# Altium PCB DAC_Sources_REV2.PcbDoc (part 3 of 9)
Units mil, origin at the board's own origin, x right, y up, seen from the top; angles counter-clockwise.
Board outline 10905.51 x 5393.7 mil, 8 copper layers (Top Layer, GND_02, SIG_03, PWR_04, PWR_05, SIG_06, GND_07, Bottom Layer), stack 65.69 mil thick; 663 components, 464 nets, 2338 pads, 2140 vias.
Unrouted connection lines stored in the file: 515.
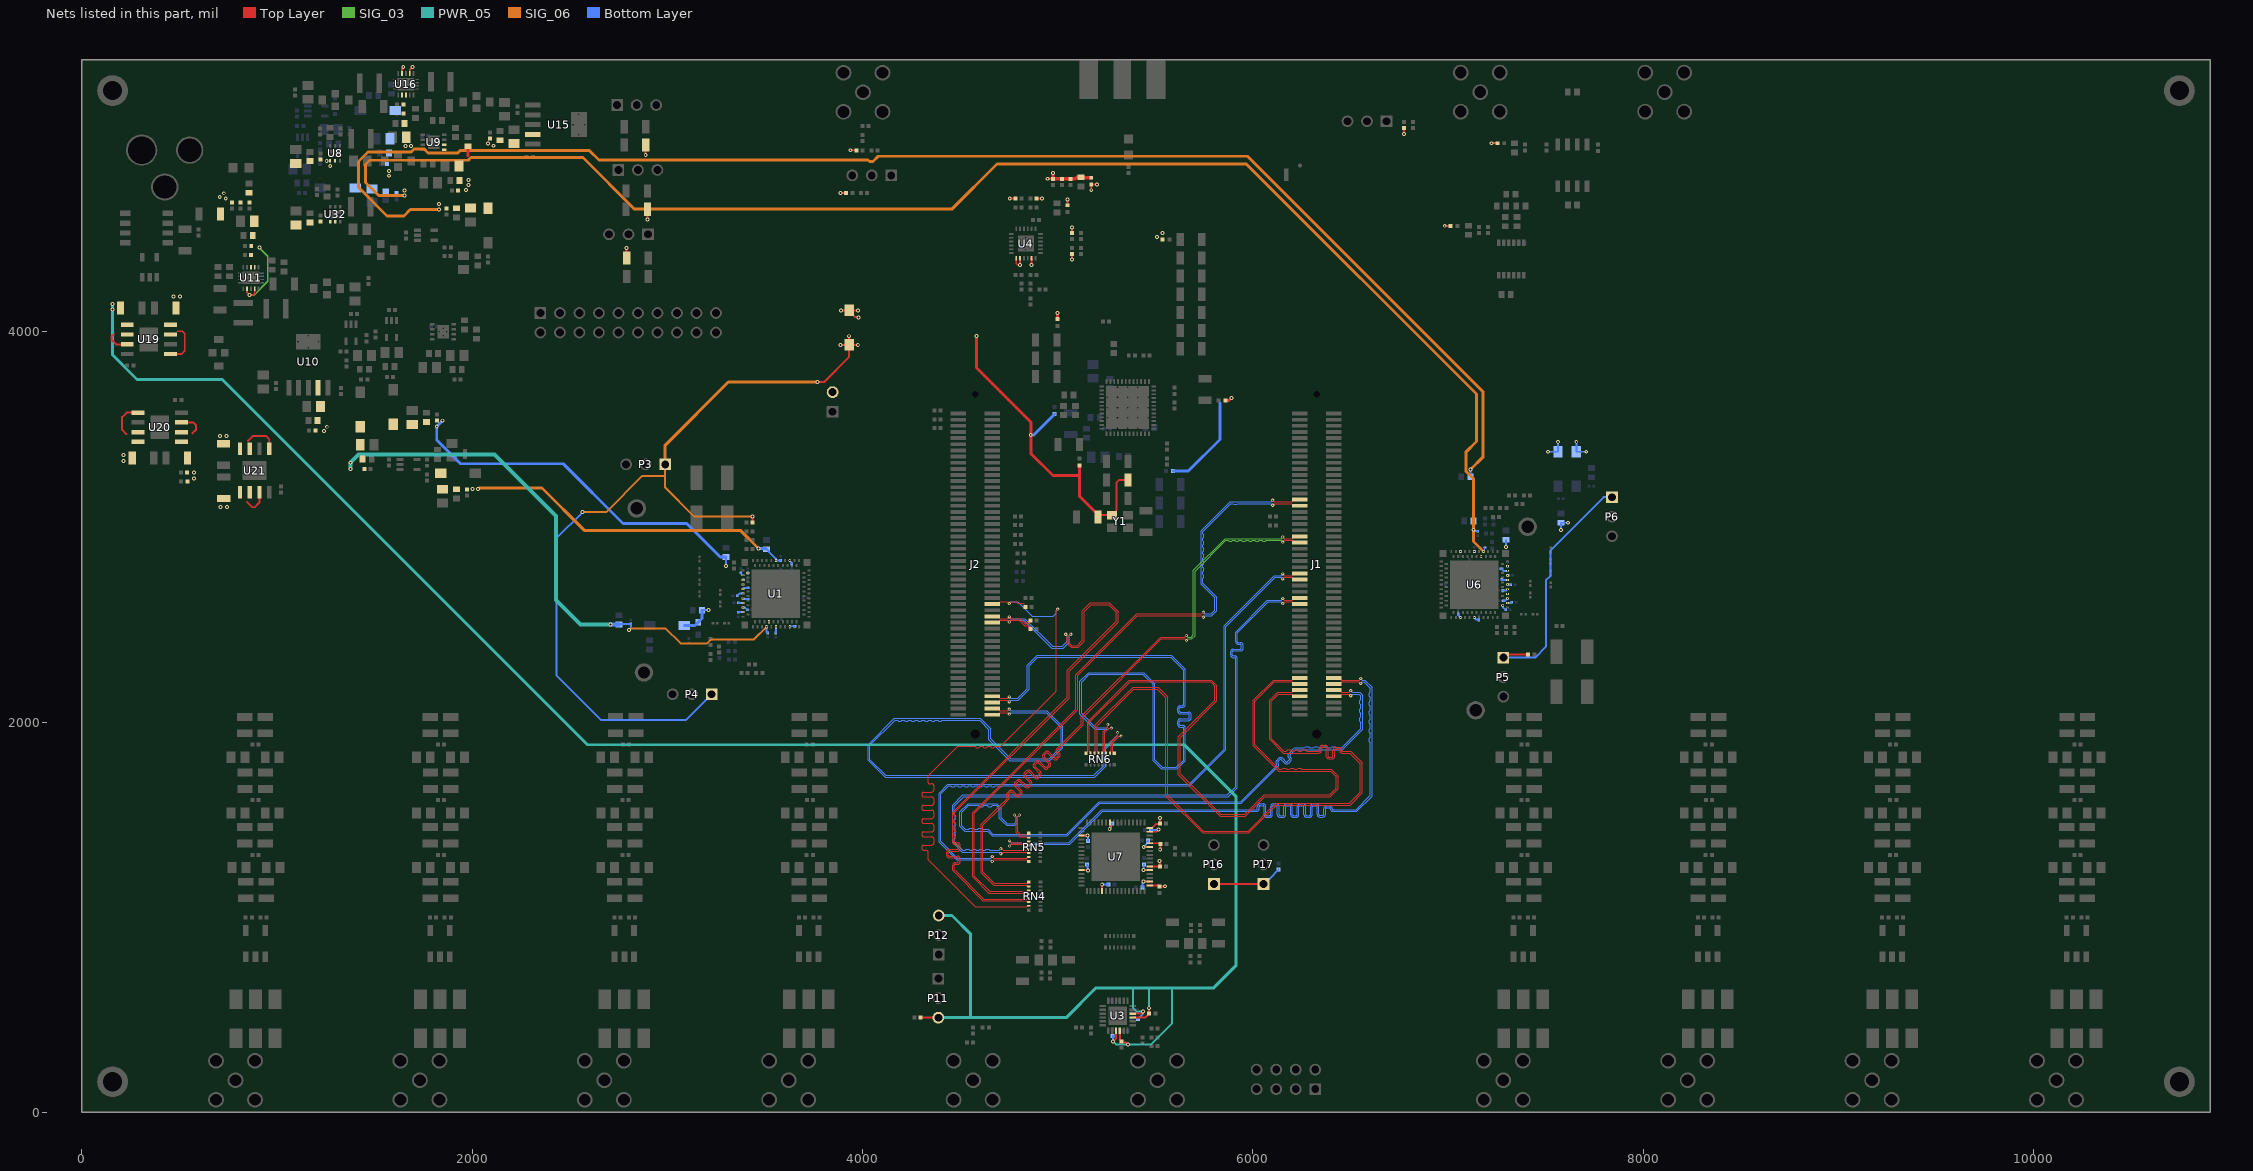
[diagram p9: the nets of this part, all layers, seen from the top]

## Part data (continued)
U12 U13 U17 U18 U34 U35: library part TI-TPS7XX01-5, "Single Output LDO, 150 mA, Adjustable 0.9 to 6.2 V Output, 2.5 to 6.5 V Input, with High-Bandwidth PSRR, 5-pin SC70 (DCK), -40 to 125 degC, Green (RoHS & no Sb/Br)", Manufacturer="Texas Instruments", Accuracy(%)=3, Code_JEDEC=MO-203, ComponentLink1Description="Manufacturer URL", ComponentLink1URL=http://www.ti.com/, ComponentLink2Description=Datasheet, ComponentLink2URL=http://www.ti.com/general/docs/lit/getliterature.tsp?genericPartNumber=TPS71701&fileType=pdf, ComponentLink3Description="Package Specification", ComponentLink3URL=http://www.ti.com/litv/pdf/mpds025f, DatasheetVersion=SBVS068G, Eco-Plan="Green (RoHS & no Sb/Br)", Iout(Max)(A)=0.15, Iq(Typ)(mA)=0.05, Mounting Technology="Surface Mount", PackageDescription="5-Pin Plastic Small-Outline, Body 2 x 1.25 mm, Pitch 0.65 mm", PackageReference=DCK0005A, PackageVersion=4093553-3/G, PartNumber=TPS71701DCKR, SubFamily="Single Channel LDO", Vdo(Typ)(mV)=170, Vin(Max)(V)=6.5, Vin(Min)(V)=2.5, Vout Adj(Max)(V)=6.2, Vout Adj(Min)(V)=0.9
U14: "5.5-V over voltage protection controller with 100-V input transient protection 5-SOT-23 -40 to 85", Package="SOT-23-5 Texas Instruments", Availability=Good, BuyPart=https://www.snapeda.com/parts/TPS2400DBVT/Texas%20Instruments/view-part/425327/?ref=eda, DigiKey-Purchase-URL=https://snapeda.com/shop?store=DigiKey&id=425327, MF="Texas Instruments", Mouser-Purchase-URL=https://snapeda.com/shop?store=Mouser&id=425327, MP=TPS2400DBVT, Price=None, SnapEDA_Link=https://www.snapeda.com/parts/TPS2400DBVT/Texas%20Instruments/view-part/425327/?ref=snap, Texas_Instruments-Purchase-URL=https://snapeda.com/shop?store=Texas+Instruments&id=425327
U19: library part ADI-ADP1706-RD-8-2, "1 A, Low Dropout, CMOS Linear Regulator, 2.5 to 5.5 V Vin, 3.3 V Vout, Industrial, 8-pin SOIC (RD-8-2), Reel", Manufacturer="Analog Devices", Code_JEDEC=MS-012-AA, ComponentLink1Description="Manufacturer URL", ComponentLink1URL=http://www.analog.com/en/index.html, ComponentLink2Description=Datasheet, ComponentLink2URL=http://www.analog.com/static/imported-files/data_sheets/ADP1706_1707_1708.pdf, ComponentLink3Description="Package Specification", ComponentLink3URL=http://www.analog.com/static/imported-files/packages/62062404671038RD_8_2.pdf, ComponentLink4Description="URL Link1", ComponentLink4URL="Product URL:http://www.analog.com/en/ADP1706/productSearch.html", DatasheetVersion="Rev. 0", Mounting Technology="Surface Mount", PackageDescription="8-Pin Standard Small Outline Package, Body 4.9 x 3.9 mm, Pitch 1.27 mm", PackageReference=RD-8-2, PackageVersion=Jan-05, Packing=Reel, PartNumber=ADP1706ARDZ-3.3-R7
U20 U21: library part ADI-ADP1706-RD-8-2, "1 A, Low Dropout, CMOS Linear Regulator, 2.5 to 5.5 V Vin, 1.8 V Vout, Industrial, 8-pin SOIC (RD-8-2), Reel", Manufacturer="Analog Devices", Code_JEDEC=MS-012-AA, ComponentLink1Description="Manufacturer URL", ComponentLink1URL=http://www.analog.com/en/index.html, ComponentLink2Description=Datasheet, ComponentLink2URL=http://www.analog.com/static/imported-files/data_sheets/ADP1706_1707_1708.pdf, ComponentLink3Description="Package Specification", ComponentLink3URL=http://www.analog.com/static/imported-files/packages/62062404671038RD_8_2.pdf, ComponentLink4Description="URL Link1", ComponentLink4URL="Product URL:http://www.analog.com/en/ADP1706/productSearch.html", DatasheetVersion="Rev. 0", Mounting Technology="Surface Mount", PackageDescription="8-Pin Standard Small Outline Package, Body 4.9 x 3.9 mm, Pitch 1.27 mm", PackageReference=RD-8-2, PackageVersion=Jan-05, Packing=Reel, PartNumber=ADP1706ARDZ-1.8-R7
U30: library part 30cb43c013c66b9f7606d7aff426576, "IC REDRIVER LVDS 1CH 8SOIC", Case/Package=SOIC, Max Input Current=10uA, Max Input Voltage=100mV, Max Operating Temperature=85°C, Max Output Voltage=450mV, Max Power Dissipation=726mW, Max Supply Current=70mA, Max Supply Voltage=3.6V, Min Input Voltage=-100mV, Min Operating Temperature=-40°C, Min Supply Voltage=3V, Operating Supply Voltage=3.3V, Package Quantity=2500, Power Consumption=155W, Contact Plating=Tin, Data Rate=800Mbps, Height=1.45mm, Lead Free="Lead Free", Length=4.9mm, Logic Function=Buffer, Mount="Surface Mount", Number of Channels=1, Number of Drivers=1, Number of Elements=1, Number of Pins=8, Number of Receivers=1, Operating Supply Current=70mA, Packaging="Tape and Reel", Power Dissipation=726mW, Propagation Delay=2ns, Radiation Hardening=No, RoHS Compliant=Yes, Series=DS90LV001, Turn-On Delay Time=2ns, Weight=0.005044oz, Width=3.9mm
Y1: library part 61a724e6190563596ac712fef61ad37, "XTAL Oscillator 10MHz ±50ppm CMOS 3.3V 4-SMD 3.2mm x 2.5mm", Case/Package=SMD/SMT, Frequency=10MHz, Frequency Stability=50ppm, Load Capacitance=15pF, Max Operating Temperature=85°C, Max Supply Current=7mA, Max Supply Voltage=3.465V, Min Operating Temperature=-40°C, Min Supply Voltage=3.135V, Operating Frequency="10 MHz", Operating Supply Voltage=3.3V, Package Quantity=1000, Depth=2.5mm, Height=0.047inch, Lead Free="Lead Free", Length=3.2mm, Mount="Surface Mount", Number of Pins=4, Packaging="Tape and Reel", Radiation Hardening=No, REACH SVHC="No SVHC", Series=ASE, Termination=SMD/SMT, Width=0.098inch

## Free pads (board coordinates)
  round 157.48 hole 98.43 mask+2.01: MH(157.48,157.48) MH(157.48,5236.22) MH(10748.03,157.48) MH(10748.03,5236.22)

## Via types
v1: diameter 16, hole 8, Top Layer to Bottom Layer, tented both sides, 1452 vias
v2: diameter 20, hole 10, Top Layer to Bottom Layer, tented both sides, 509 vias
v3: diameter 10, hole 6, Top Layer to Bottom Layer, tented both sides, 65 vias
v4: diameter 23.62, hole 11.81, Top Layer to Bottom Layer, tented top, 59 vias
v5: diameter 24, hole 12, Top Layer to Bottom Layer, tented top, 34 vias
v6: diameter 24, hole 12, Top Layer to Bottom Layer, tented both sides, 15 vias
v7: diameter 23.62, hole 11.81, Top Layer to Bottom Layer, tented both sides, 4 vias
v8: diameter 78.74, hole 39.37, Top Layer to Bottom Layer, tented both sides, 2 vias

## Nets (pads, with @x,y where several pads share a name; then routed paths per layer and width w, separated by ;. In a path a pad name is that pad's centre, name@x,y a point inside that pad or via, vN(x,y) a via of type N, cw(c..) or ccw(c..) an arc to the next point about the centre after c; other vN are vias at no path point)
1.2VCLK_DAC1: C73.2 C74.1 C76.2 C236.1 C237.1 C238.1 FB13.2 U1.A4 | length 2943.7
  SIG_06 w10: v2(2803.15,2472.44) 2805.74,2472.44 2814.01,2480.71 2990.55,2480.71 3068.11,2403.15 3203.94,2403.15 3224.8,2424.02 3444.17,2424.02 v3(3509.06,2488.9)
  PWR_05 w20: v2(1376.77,3298.03) 1376.77,3329.92 1417.32,3370.47 2114.96,3370.47 2428.74,3056.69 2428.74,2626.38 2554.72,2500.39 v2(2709.06,2500.39)
  Bottom Layer w10: C238.1@2751.57,2500.39 2753.94,2502.76 C237.1@2813.39,2502.76 2813.39,2482.68 v2(2803.15,2472.44) ; v3(3509.06,2488.9) 3509.06,2462.2 C236.1@3513.78,2457.48
  Bottom Layer w20: v2(2709.06,2500.39) C238.1@2751.57,2500.39
  other v2: 1375.98,3329.13
1.2VCLK_DAC2: C108.2 C109.1 C111.2 C257.1 C258.1 C259.1 FB16.2 U6.A4 | length 7680.7
  SIG_06 w15: v2(1653.15,4698.03) 1521.26,4698.03 1453.54,4765.75 1453.54,4859.06 1473.62,4879.13 1979.92,4879.13 1993.7,4892.91 2567.32,4892.91 2831.89,4628.35 4457.48,4628.35 4689.37,4860.24 5966.93,4860.24 7145.67,3681.5 7145.67,3438.19 7093.25,3385.77 7093.25,3284.77 7130.31,3247.71 v2(7130.31,2985.83) 7130.31,2925.98 v3(7182.28,2874.02)
  Bottom Layer w6: v3(7182.28,2874.02) 7189.37,2881.1 C258.1@7189.37,2894.88
  Bottom Layer w10: C259.1@7130.31,3029.92 v2(7130.31,2985.83) 7137.4,2978.74 C257.1@7153.15,2978.74
  other v2: 1653.1,4724.67
1.2VDAC1: C66.2 C67.1 C69.2 C232.1 C233.1 C234.1 C235.1 FB10.2 U1.A35 U1.A39 U1.A43 | length 1964.1
  Bottom Layer w7.5: C234.1@3375.59,2765.75 3375.59,2764.09 v3(3387.01,2752.68)
  Bottom Layer w10: C235.1@3300.79,2846.46 v2(3300.79,2800.39) v2@3301.18,2800 ; C233.1@3358.27,2646.85 3369.61,2658.19 v3(3387.01,2658.19) ; C232.1@3362.6,2562.6 3363.7,2563.7 v3(3387.01,2563.7)
  Bottom Layer w15: v2(1847.64,3544.49) v2(1818.5,3515.35) 1818.5,3445.67 1940.16,3324.02 2467.32,3324.02 2772.83,3018.5 3099.61,3018.5 3271.65,2846.46 C235.1@3300.79,2846.46
1.2VDAC2: C101.2 C102.1 C104.2 C253.1 C254.1 C255.1 C256.1 FB15.2 U6.A35 U6.A39 U6.A43 | length 113.9
  Bottom Layer w10: v3(7304.33,2610.24) 7323.62,2610.24 C255.1@7326.77,2613.39 ; v3(7304.33,2704.72) C254.1@7321.26,2704.72 ; v2(7578.74,2985.04) C256.1@7578.74,3021.65 v2(7615.35,3021.65)
  other v2: 1573.62,4799.61 1573.62,4824.8
  other v3: 7304.33,2799.21
1.2VDIGI_DAC1: C227.1 C228.1 C229.1 C230.1 C231.1 C292.2 C293.1 C324.2 FB26.2 U1.A6 U1.A9 U1.A25 U1.A28 U1.B4 | length 1786.8
  SIG_06 w15: v2@2034.65,3200 2357.87,3200 2574.8,2983.07 3373.62,2983.07 v2(3466.54,2890.16)
  Bottom Layer w10: C231.1@3510.83,2886.22 3520.59,2876.46 3520.59,2873.5 3556.3,2837.8 v3(3556.3,2827.48) 3579.84,2827.48 C227.1@3580.71,2828.35 ; C229.1@3556.3,2457.48 v3(3556.3,2488.9) ; v3(3627.17,2488.9) 3629.61,2491.34 C230.1@3654.33,2491.34 ; v3(3627.17,2827.48) 3637.8,2816.85 C228.1@3637.8,2810.24
  Bottom Layer w15: v2(3466.54,2890.16) 3503.94,2890.16 C231.1@3507.87,2886.22
  other v2: 2000.79,3193.7 2029.53,3193.7
  other v3: 3520.87,2514.49
1.2VDIGI_DAC2: C248.1 C249.1 C250.1 C251.1 C252.1 C328.2 C329.1 C331.2 FB27.2 U6.A6 U6.A9 U6.A25 U6.A28 U6.B4 | length 7468.6
  SIG_06 w15: v2(1829.92,4626.38) 1683.07,4626.38 1650.39,4593.7 1564.17,4593.7 1416.93,4740.94 1416.93,4872.83 1466.14,4922.05 1687.73,4922.05 1701.8,4936.12 1754.43,4936.12 1773.62,4916.93 1926.38,4916.93 1937.8,4928.35 2601.57,4928.35 2649.61,4880.32 4028.02,4880.32 4035.56,4872.78 4054.2,4872.78 4081.03,4899.61 5972.83,4899.61 7178.74,3693.7 7178.74,3357.09 v2(7115.75,3294.09)
  Bottom Layer w10: C248.1@7051.57,2554.72 7051.57,2548.03 v3(7064.17,2535.43) ; C252.1@7115.75,3257.48 v2(7115.75,3294.09) ; v3(7135.04,2535.43) 7145.59,2524.88 7155.51,2524.88 7156.81,2523.58 C249.1@7156.81,2522.8 C249.1@7156.42,2522.4
  other v2: 1829.92,4654.72
  other v3: 7170.47,2848.43 7064.17,2874.02 7135.04,2874.02
1.8V_AVDD: C118.1 C119.1 C120.1 C122.1 C124.1 C125.1 C126.1 C127.1 C128.1 C129.1 C130.1 U7.49 U7.50 U7.53 U7.54 U7.59 U7.60 U7.63 U7.64 U20.5 U20.6 U20.7 | length 753.1
  Top Layer w10: U20.7@510.46,3536.02 571.06,3536.02 585.04,3522.05 585.04,3497.64 566.54,3479.13 ; v2@5440.31,1182.52 U7.50@5472.24,1182.52 ; v2@5440.31,1241.57 U7.53@5472.24,1241.57 ; v2(5441.17,1360.63) 5442.11,1359.69 U7.59@5472.24,1359.69 ; U7.49@5472.24,1162.83 5517.09,1162.83 C130.1@5522.83,1157.09 ; U7.54@5472.24,1261.26 C120.1@5524.41,1261.26 ; U7.60@5472.24,1379.37 5523.39,1379.37 C127.1@5525.98,1376.77 5525.98,1348.82 v2(5525.59,1348.43) ; U7.63@5472.24,1438.43 5506.14,1438.43 v2(5517.32,1449.61) ; U7.64@5472.24,1458.11 5484.3,1458.11 5490.16,1463.97 5504.81,1478.62 5521.53,1478.62 C126.1@5524.02,1481.1 5524.41,1481.5 5524.41,1509.45 v2(5524.8,1509.84) ; v2(5522.44,1288.58) 5523.43,1287.6 C120.1@5523.43,1262.4 ; C130.1@5523.82,1158.07 5549.02,1158.07 v2(5550,1159.06)
  Bottom Layer w10: C119.1@5433.86,1152.36 5433.86,1175.25 5439.37,1180.76 v2(5439.37,1183.46) ; v2(5439.37,1242.52) 5441.28,1244.43 5441.28,1268.84 C118.1@5443.7,1271.26 ; v2(5441.17,1360.63) 5441.17,1361.24 5458.54,1378.61 5458.54,1388.03 C124.1@5463.78,1393.27 ; C125.1@5479.13,1447.24 5480.31,1448.43 5516.14,1448.43 v2(5517.32,1449.61)
  other v2: 574.03,3247.69 574.02,3279.92
1.8V_DRVDD: C116.1 C117.1 C132.1 C133.1 C134.1 C135.1 P16.1 P17.1 U7.10 U7.19 U7.28 U7.37 U21.5 U21.6 U21.7 | length 753.9
  Top Layer w10: 846.85,3127.17 872.83,3101.18 885.43,3101.18 910.43,3126.18 U21.7@910.43,3178.12 ; U7.28@5122.24,1241.57 v2@5154.17,1241.57 ; U7.19@5122.24,1418.74 v2(5153.75,1418.74) ; U7.37@5228.35,1135.47 v2(5228.35,1168.98) ; v2@5267.72,1453.54 U7.10@5267.72,1485.47 ; P16.1@5800.79,1170.87 P17.1@6055.12,1170.87
  Bottom Layer w10: C134.1@5150.79,1269.69 5153.2,1267.27 5153.2,1242.54 v2(5155.12,1240.63) ; C116.1@5154.72,1391.73 5155.24,1392.24 5155.24,1418.23 v2@5155.75,1418.74 ; v2(5228.35,1168.98) 5258.98,1168.98 C135.1@5261.02,1166.93 ; v2(5266.77,1452.6) 5266.77,1455.3 5274.25,1462.78 5274.25,1474.45 C133.1@5279.49,1479.69 C133.1@5278.43,1478.62 ; P17.1@6055.12,1170.87 6080.12,1195.87 6083.27,1195.87 C117.1@6132.68,1245.28
  other v2: 711.08,3102.75 743.31,3102.76
3.3V_AVDD: C114.1 C136.1 C137.1 C138.1 C139.1 C140.1 P11.3 P12.3 U3.3 U3.4 U3.9 U3.10 U19.5 U19.6 U19.7 | length 11525
  Top Layer w10: 165.35,3989.76 151.97,3976.38 151.97,3959.84 175.79,3936.02 U19.7@232.45,3936.02 ; C140.1@4298.43,485.83 P11.3@4388.98,485.83 ; v2(5284.34,363.52) 5284.34,366.23 5299.21,381.1 U3.3@5299.21,419.69 ; U3.4@5318.9,419.69 5318.9,371.65 C136.1@5326.38,364.17 5331.61,358.94 5349.72,358.94 v2(5360.24,348.43) ; U3.9@5385.83,486.61 5449.21,486.61 C139.1@5468.9,506.3 v2(5468.9,534.25) ; U3.10@5385.83,506.3 5427.56,506.3 v2(5437.8,516.54)
  PWR_05 w10: v2(5284.34,363.52) 5299.43,348.43 v2(5360.24,348.43) 5478.74,348.43 5585.83,455.51 5585.83,638.58 ; 5385.43,638.58 5385.43,535.43 5404.33,516.54 v2(5437.8,516.54) ; v2(5468.9,534.25) 5468.9,633.86 5473.62,638.58
  PWR_05 w15: v2(156.68,4142.07) 156.68,3882.29 282.68,3756.3 719.68,3756.3 2591.73,1884.25 5649.21,1884.25 5912.99,1620.47 5912.99,751.57 5800,638.58 5585.83,638.58 5473.62,638.58 5385.43,638.58 5196.85,638.58 5044.09,485.83 4554.33,485.83 ; P11.3@4388.98,485.83 4554.33,485.83 ; P12.3@4390.55,1009.06 4458.66,1009.06 4554.33,913.39 4554.33,485.83
  Bottom Layer w10: C137.1@5281.1,392.91 5282.72,391.3 5282.72,365.14 v2(5284.34,363.52) ; C138.1@5410.63,478.35 5435.88,503.6 5435.88,514.62 v2(5437.8,516.54)
  other v2: 156.69,4113.78
3.3V_LOGIC: FB12.2 P3.1 P4.1 P5.1 P6.1 R70.2 R75.2 | length 5725.7
  Top Layer w10: R70.2@3437.4,3022.44 v2(3437.4,3054.72) ; v2(3768.71,3742.58) 3802.82,3742.58 3931.89,3871.65 FB12.2@3931.89,3933.46 ; v2(3887.8,3933.46) FB12.2@3931.89,3933.46 ; v2(3931.89,3977.56) FB12.2@3931.89,3933.46 ; v2(3975.98,3933.46) FB12.2@3931.89,3933.46 ; P5.1@7283.86,2330.71 7299.61,2346.46 R75.2@7411.02,2346.46
  SIG_06 w10: v2(2565.75,3075.98) 2685.9,3075.98 2871.53,3261.61 2988.98,3261.61 ; P3.1@2988.98,3320.87 2988.98,3261.61 ; v2(3437.4,3054.72) 3136.61,3054.72 2988.98,3202.36 2988.98,3261.61
  SIG_06 w15: P3.1@2988.98,3320.87 2988.98,3418.9 3312.66,3742.58 v2(3768.71,3742.58)
  Bottom Layer w10: v2(2565.75,3075.98) 2431.89,2942.13 2431.89,2240.55 2661.81,2010.63 3094.88,2010.63 P4.1@3227.17,2142.91 ; P5.1@7283.86,2330.71 7446.06,2330.71 7502.25,2386.9 7502.25,2561.36 7501.97,2561.64 7501.97,2726.38 7525.98,2750.39 7525.98,2880.71 7798.03,3152.76 P6.1@7840.55,3152.76
3.3VA_DAC1: C53.2 C54.1 C56.2 C220.1 C221.1 C222.1 C223.1 C224.1 C225.1 C226.1 FB11.1 FB17.1 U1.A36 U1.A37 U1.A38 U1.A40 U1.A41 U1.A42 U1.B31 U10.4 | length 281
  Bottom Layer w10: C226.1@3186.22,2573.62 v2(3211.81,2573.62) ; C224.1@3363.39,2611.02 3386.93,2611.02 v3(3387.01,2610.94) ; v3(3387.01,2587.32) 3396.93,2587.32 C225.1@3409.45,2574.8 ; v3(3387.01,2634.57) 3390.47,2631.1 C223.1@3414.17,2631.1 ; v3(3387.01,2681.81) 3392.6,2687.4 C221.1@3412.99,2687.4
  Bottom Layer w15: FB17.1@3087.01,2495.67 3141.93,2495.67 FB11.1@3158.66,2512.4 3177.56,2531.3 C226.1@3177.56,2573.23
  other v2: 1240.55,3490.94 1255.12,3513.39
  other v3: 3387.01,2705.43 3387.01,2729.06 3412.6,2764.49
3.3VA_DAC2: C88.2 C89.1 C91.2 C241.1 C242.1 C243.1 C244.1 C245.1 C246.1 C247.1 FB18.1 FB19.1 U6.A36 U6.A37 U6.A38 U6.A40 U6.A41 U6.A42 U6.B31 U15.4 | length 388.5
  Bottom Layer w10: C241.1@7272.05,2787.01 7283.46,2775.59 v3(7304.33,2775.59) ; C242.1@7275.59,2731.89 7279.13,2728.35 v3(7304.33,2728.35) ; v3(7281.1,2598.43) 7281.1,2588.98 7295.28,2574.8 C246.1@7296.06,2574.8 ; C244.1@7281.89,2675.59 7298.82,2675.59 v3(7304.33,2681.1) ; C245.1@7284.25,2622.05 7292.52,2622.05 v3(7304.33,2633.86) ; v2(7297.24,2897.64) C247.1@7297.24,2934.25 ; v2(7512.2,3385.43) FB18.1@7563.39,3385.43 v2(7563.39,3436.61) ; v2(7657.48,3436.61) FB19.1@7657.48,3385.43 v2(7708.66,3385.43)
  other v2: 2109.84,4953.54 2081.89,4964.17
  other v3: 7304.33,2657.48 7304.33,2751.97
3.3VCLK: C35.2 C36.1 C38.2 C311.1 FB1.1 FB2.1 FB3.1 FB4.1 FB5.1 FB6.1 FB12.1 FB21.1 FB22.1 FB23.1 FB25.1 P2.2 R23.2 R25.2 R28.2 R33.2 R84.2 R88.2 R94.2 R95.2 U9.1 U9.2 Y1.4 | length 2953.1
  Top Layer w9.06: FB25.1@5050,4648.82 v2(5050,4677.56) ; v2(5172.24,4725.59) FB21.1@5172.24,4754.33 v2(5200.98,4754.33)
  Top Layer w10: R95.2@2791.73,4377.56 v2(2791.73,4428.74) ; v2(2889.37,4905.51) R88.2@2889.37,4956.69 ; R94.2@2898.43,4627.95 2899.21,4627.17 v2(2899.21,4575.98) ; v2(3887.01,4712.2) R28.2@3916.14,4712.2 ; v2(3888.98,4109.45) 3933.07,4109.45 FB12.1@3931.89,4110.63 3941.73,4110.63 3941.73,4094.88 3961.87,4074.75 3977.61,4074.75 v2(3979.53,4072.83) ; v2(3939.37,4930.31) R25.2@3968.5,4930.32 ; FB12.1@3941.73,4109.45 v2(3977.17,4109.45) ; C311.1@5206.69,3051.18 5216.73,3061.22 Y1.4@5278.35,3061.22 5300.79,3083.66 5300.79,3225.98 5315.75,3240.94 R23.2@5360.24,3240.94 ; R84.2@6774.02,5043.31 6774.21,5043.11 6774.21,5013.58 v2(6774.41,5013.39) ; v2(6983.46,4543.31) 6983.66,4543.11 7013.19,4543.11 FB22.1@7013.39,4542.91 ; v2@7223.62,4966.54 FB23.1@7253.15,4966.54
  Top Layer w15: R33.2@1979.13,4950.39 1979.13,4901.57 1979.53,4901.18 ; v2(4584.25,3979.53) 4584.25,3816.14 4862.6,3537.8 4862.6,3376.77 4975.59,3263.78 5111.81,3263.78 ; FB3.1@4998.82,4066.14 v2(4998.82,4096.06) ; FB6.1@5111.81,3314.96 5111.81,3263.78 ; C311.1@5206.69,3051.18 5206.69,3062.2 5111.81,3157.09 5111.81,3263.78 ; FB1.1@5859.84,3648.43 5877.95,3648.43 v2(5890.16,3660.63)
  Bottom Layer w15: v2(4862.28,3470.47) 4862.62,3470.81 4877.9,3470.81 4981.91,3574.82 4981.91,3576.4 4983.46,3577.95 FB2.1@4985.04,3577.95 ; FB5.1@5591.34,3286.61 5669.69,3286.61 5831.5,3448.43 5831.5,3636.22
  other v2: 5509.06,4485.83 5537.8,4505.51 1968.5,4726.61 1981.1,4751.42 1981.5,4777.01 7223.43,4966.34
3.3VCLK_PECL: C270.1 C271.1 C272.1 C273.1 FB21.2 R86.2 R87.2 R116.2 R117.2 U4.1 U4.2 U4.5 | length 491.2
  Top Layer w9.06: v2(4754.72,4683.46) R86.2@4783.46,4683.46 ; U4.1@4788.19,4377.56 4788.19,4350 4794.88,4343.31 v2(4807.87,4343.31) ; R87.2@4891.34,4683.46 v2(4920.08,4683.46) ; v2(5074.02,4369.88) R117.2@5074.02,4398.62 ; R116.2@5074.02,4506.1 v2(5074.02,4534.84)
  Top Layer w9.45: v2(4807.87,4343.31) U4.2@4807.87,4377.56 ; v2(4866.93,4343.31) U4.5@4866.93,4377.56
  Top Layer w15: v2(4947.83,4784.25) C270.1@4976.57,4784.25 v2(4976.57,4812.99)
  Top Layer w18: C270.1@4976.57,4784.25 C271.1@5021.46,4784.25 C272.1@5066.34,4784.25 5088.78,4784.25 5097.05,4792.52 C273.1@5120.28,4792.52 5123.03,4789.76 FB21.2@5172.24,4789.76
6V: C40.2 C42.2 C43.1 C45.2 C47.1 C48.1 C57.2 C58.2 C59.1 C60.1 C92.2 C93.2 C94.1 C95.1 C113.1 C121.1 C131.1 C296.2 C297.2 C298.1 FB7.2 R34.2 U8.4 U8.5 U11.2 U11.3 U11.7 U11.9 U16.2 U16.3 U16.7 U16.9 U19.1 U19.3 U19.4 U20.1 U20.3 U20.4 U21.1 U21.3 U21.4 U32.4 U32.5 | length 1050.8
  Top Layer w9: U19.1@454.95,3886.02 509.65,3886.02 526.77,3903.15 526.77,3990.94 514.57,4003.15 489.76,4003.15 ; U11.7@846.85,4221.26 846.85,4200.39 v2(858.66,4188.58) 877.17,4188.58 886.22,4197.64 U11.9@886.22,4221.26 ; U16.9@1641.14,5323.62 1641.14,5349.19 1646.85,5354.9 v2(1646.85,5357.87) ; U16.7@1680.51,5323.62 1680.51,5342.72 v2(1695.28,5357.48)
  Top Layer w10: 228.35,3476.38 206.69,3498.03 206.69,3563.39 229.33,3586.02 U20.1@287.96,3586.02 ; 852.36,3442.91 874.8,3465.35 944.88,3465.35 960.43,3449.8 U21.1@960.43,3400.62
  SIG_03 w9: v2(858.66,4188.58) 882.68,4188.58 952.76,4258.66 952.76,4388.19 v2(909.84,4431.1)
  other v2: 213.39,3337.4 213.38,3369.63 708.32,3465.74 740.55,3465.75 470.53,4181.09 502.76,4181.1 737.54,4683.63 706.79,4690.03 727.35,4709.9 1272.83,4848.82 1254.72,4874.41 1659.45,4952.36 1685.83,4951.97
ADC_D0_N: J2.99 RN6.9 | length 3349
  Top Layer w5: J2.99@4664.37,2038.07 4693.9,2038.07 4701.24,2045.41 4701.24,2046.12 4704.44,2049.32 4743.35,2049.32 v1(4751.85,2040.82) ; RN6.9@5290.51,1840.55 5290.51,1842.03 5282.43,1850.11 5282.43,1897.6 5313.18,1928.35 v1(5325.2,1928.35)
  Bottom Layer w5: v1(4751.85,2040.82) 4760.35,2049.32 4940.66,2049.32 5017.69,1972.29 5017.69,1872.81 4957.13,1812.24 4758.84,1812.24 4656.95,1914.13 4656.95,1965.89 4603.65,2019.2 4163.95,2019.2 4029.11,1884.36 4029.11,1804.15 4115.6,1717.65 5190.02,1717.65 5247.68,1775.31 5247.68,1862.85 5313.18,1928.35 v1(5325.2,1928.35)
ADC_D0_P: J2.97 RN6.10 | length 3373.7
  Top Layer w5: J2.97@4664.37,2069.57 4693.9,2069.57 4701.24,2062.22 4701.24,2061.36 4704.28,2058.32 4743.35,2058.32 v1(4751.85,2066.82) ; RN6.10@5267.36,1840.55 5267.36,1845.47 5269.78,1847.89 5270.5,1847.89 5273.43,1850.82 5273.43,1901.33 5306.81,1934.71 v1(5306.81,1946.73)
  Bottom Layer w5: v1(4751.85,2066.82) 4760.35,2058.32 4944.39,2058.32 5026.69,1976.02 5026.69,1869.08 4960.85,1803.24 4755.11,1803.24 4647.95,1910.41 4647.95,1962.17 4599.92,2010.2 4407.44,2010.2 4403.11,2005.87 4389.72,2005.87 4385.39,2010.2 4373.19,2010.2 4368.86,2005.87 4355.47,2005.87 4351.14,2010.2 4338.94,2010.2 4334.61,2005.87 4321.22,2005.87 4316.89,2010.2 4304.69,2010.2 4300.35,2005.87 4286.97,2005.87 4282.64,2010.2 4270.43,2010.2 4266.1,2005.87 4252.72,2005.87 4248.39,2010.2 4236.18,2010.2 4231.85,2005.87 4218.46,2005.87 4214.13,2010.2 4201.93,2010.2 4197.6,2005.87 4184.21,2005.87 4179.88,2010.2 4167.68,2010.2 4038.11,1880.63 4038.11,1807.87 4119.33,1726.65 5186.3,1726.65 5238.68,1779.04 5238.68,1866.58 5306.81,1934.71 v1(5306.81,1946.73)
ADC_D1_N: J2.95 RN6.11 | length 3301.7
  Top Layer w5: J2.95@4664.37,2101.06 4693.9,2101.06 4701.24,2108.4 4701.24,2109.11 4704.44,2112.31 4743.35,2112.31 v1(4751.85,2103.81) ; RN6.11@5247.68,1840.55 5247.68,1845.47 5242.33,1850.81 5242.33,1948.06 5263.57,1969.29 v1(5275.59,1969.29)
  Bottom Layer w5: v1(4751.85,2103.81) 4760.35,2112.31 4799.41,2112.31 4854.47,2167.37 4854.47,2288.88 4898.86,2333.27 5578.86,2333.27 5645.39,2266.73 5645.39,2182.6 5645.39,2090.27 cw(c5640.39,2090.27) 5640.39,2085.27 5629.39,2085.27 ccw(c5629.39,2071.27) 5615.39,2071.27 5615.39,2056.27 ccw(c5629.39,2056.27) 5629.39,2042.27 5670.39,2042.27 cw(c5670.39,2037.27) 5675.39,2037.27 5675.39,2022.27 cw(c5670.39,2022.27) 5670.39,2017.27 5629.39,2017.27 ccw(c5629.39,2003.27) 5615.39,2003.27 5615.39,1988.27 ccw(c5629.39,1988.27) 5629.39,1974.27 5640.39,1974.27 cw(c5640.39,1969.27) 5645.39,1969.27 5645.39,1962.27 5645.39,1805.94 5609.03,1769.58 5535.53,1769.58 5498.43,1806.69 5498.43,2196.69 5440.88,2254.24 5159.22,2254.24 5114.43,2209.44 5114.43,2040.69 5185.16,1969.96 5191.94,1963.18 5233.19,1963.18 5257.45,1963.18 5263.57,1969.29 v1(5275.59,1969.29)
ADC_D1_P: J2.93 RN6.12 | length 3301.8
  Top Layer w5: J2.93@4664.37,2132.56 4693.9,2132.56 4701.24,2125.22 4701.24,2124.35 4704.28,2121.31 4743.35,2121.31 v1(4751.85,2129.81) ; RN6.12@5227.99,1840.55 5227.99,1845.47 5233.33,1850.81 5233.33,1951.78 5257.21,1975.66 v1(5257.21,1987.68)
  Bottom Layer w5: v1(4751.85,2129.81) 4760.35,2121.31 4795.68,2121.31 4845.47,2171.1 4845.47,2292.61 4895.13,2342.27 5582.59,2342.27 5654.39,2270.46 5654.39,2182.6 5654.39,2090.27 cw(c5640.39,2090.27) 5640.39,2076.27 5629.39,2076.27 ccw(c5629.39,2071.27) 5624.39,2071.27 5624.39,2056.27 ccw(c5629.39,2056.27) 5629.39,2051.27 5670.39,2051.27 cw(c5670.39,2037.27) 5684.39,2037.27 5684.39,2022.27 cw(c5670.39,2022.27) 5670.39,2008.27 5629.39,2008.27 ccw(c5629.39,2003.27) 5624.39,2003.27 5624.39,1988.27 ccw(c5629.39,1988.27) 5629.39,1983.27 5640.39,1983.27 cw(c5640.39,1969.27) 5654.39,1969.27 5654.39,1962.27 5654.39,1802.22 5612.76,1760.58 5531.8,1760.58 5489.43,1802.96 5489.43,2192.97 5460.17,2222.22 5437.15,2245.24 5162.95,2245.24 5123.43,2205.71 5123.43,2044.42 5195.67,1972.18 5253.73,1972.18 5257.21,1975.66 v1(5257.21,1987.68)